# Altium PCB 宠物机器人&导购机器人.PcbDoc (part 10 of 14)
Units mil, origin at the board's own origin, x right, y up, seen from the top; angles counter-clockwise.
Board outline 6899.61 x 2204.72 mil, 2 copper layers (Top Layer, Bottom Layer); 229 components, 218 nets, 23463 pads, 263 vias.
Unrouted connection lines stored in the file: 107.
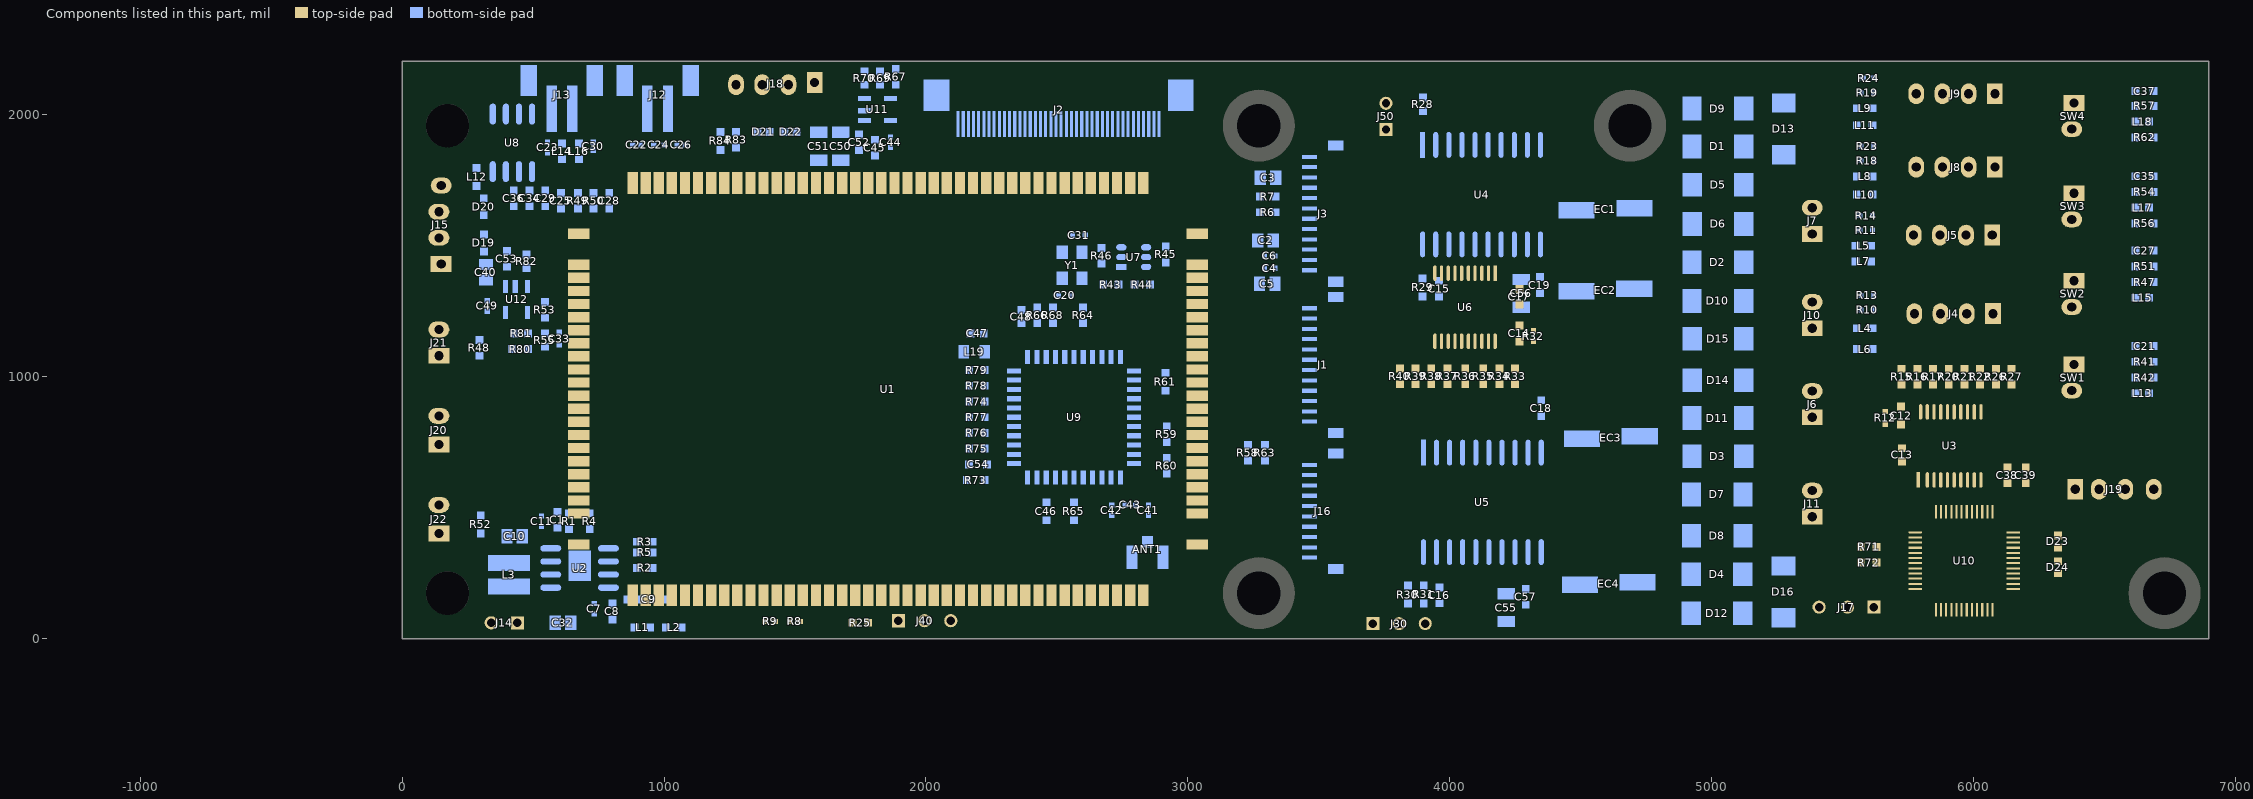
[diagram p10: the components of this part, seen from the top]

## Free pads (board coordinates) (continued)
  round 0.01 on Mech2: 1(-1216.32,-383.93) 1(-1216.32,-383.93) 1(-1216.32,-383.85) 1(-1216.32,-383.85) 1(-1216.32,-383.85) 1(-1216.32,-383.85) 1(-1216.32,-383.85) 1(-1216.32,-383.85) 1(-1216.32,-384.51) 1(-1216.32,-384.51) 1(-1216.32,-384.51) 1(-1216.32,-384.51) 1(-1216.32,-384.51) 1(-1216.32,-384.51) 1(-1216.32,-383.05) 1(-1216.32,-383.05) 1(-1216.32,-383.05) 1(-1216.32,-383.05) 1(-1216.32,-383.05) 1(-1216.32,-383.05) 1(-1216.32,-384.61) 1(-1216.32,-384.61) 1(-1216.32,-384.61) 1(-1216.32,-384.61) 1(-1216.32,-384.61) 1(-1216.32,-384.61) 1(-1216.32,-383.8) 1(-1216.32,-383.8) 1(-1216.32,-383.8) 1(-1216.32,-383.8) 1(-1216.32,-383.8) 1(-1216.32,-383.8) 1(-1216.32,-383.74) 1(-1216.32,-383.74) 1(-1216.32,-383.74) 1(-1216.32,-383.74) 1(-1216.32,-383.74) 1(-1216.32,-383.74) 1(-1216.31,-383.66) 1(-1216.31,-383.66) 1(-1216.31,-383.66) 1(-1216.31,-383.93) 1(-1216.31,-383.93) 1(-1216.31,-383.93) 1(-1216.31,-383.93) 1(-1216.31,-383.93) 1(-1216.31,-383.93) 1(-1216.31,-383.27) 1(-1216.31,-383.27) 1(-1216.31,-383.27) 1(-1216.31,-383.27) 1(-1216.31,-383.27) 1(-1216.31,-383.27) 1(-1216.31,-383.14) 1(-1216.31,-383.14) 1(-1216.31,-383.14) 1(-1216.31,-383.14) 1(-1216.31,-383.14) 1(-1216.31,-383.14) 1(-1216.31,-383.09) 1(-1216.31,-383.09) 1(-1216.31,-383.09) 1(-1216.31,-383.09) 1(-1216.31,-383.09) 1(-1216.31,-383.09) 1(-1216.31,-384.9) 1(-1216.31,-384.9) 1(-1216.31,-384.9) 1(-1216.31,-384.9) 1(-1216.31,-384.9) 1(-1216.31,-384.9) 1(-1216.3,-383.36) 1(-1216.3,-383.36) 1(-1216.3,-383.36) 1(-1216.3,-383.36) 1(-1216.3,-383.36) 1(-1216.3,-383.36) 1(-1216.3,-384.09) 1(-1216.3,-384.09) 1(-1216.3,-384.09) 1(-1216.3,-384.09) 1(-1216.3,-384.09) 1(-1216.3,-384.09) 1(-1216.3,-384.04) 1(-1216.3,-384.04) 1(-1216.3,-384.04) 1(-1216.3,-384.04) 1(-1216.3,-384.04) 1(-1216.3,-384.04) 1(-1216.29,-384.88) 1(-1216.29,-384.88) 1(-1216.29,-384.88) 1(-1216.29,-384.88) 1(-1216.29,-384.88) 1(-1216.29,-384.88) 1(-1216.29,-384.83) 1(-1216.29,-384.83) 1(-1216.29,-384.83) 1(-1216.29,-384.79) 1(-1216.29,-384.79) 1(-1216.29,-384.79) 1(-1216.29,-384.76) 1(-1216.29,-384.76) 1(-1216.29,-384.76) 1(-1216.29,-384.72) 1(-1216.29,-384.72) 1(-1216.29,-384.72) 1(-1216.29,-384.69) 1(-1216.29,-384.69) 1(-1216.29,-384.69) 1(-1216.29,-384.65) 1(-1216.29,-384.65) 1(-1216.29,-384.65) 1(-1216.29,-384.61) 1(-1216.29,-384.61) 1(-1216.29,-384.61) 1(-1216.29,-384.58) 1(-1216.29,-384.58) 1(-1216.29,-384.58) 1(-1216.29,-384.54) 1(-1216.29,-384.54) 1(-1216.29,-384.54) 1(-1216.29,-384.51) 1(-1216.29,-384.51) 1(-1216.29,-384.51) 1(-1216.29,-383.39) 1(-1216.29,-383.39) 1(-1216.29,-383.39) 1(-1216.29,-383.39) 1(-1216.29,-383.39) 1(-1216.29,-383.39) 1(-1216.29,-383.74) 1(-1216.29,-383.74) 1(-1216.29,-383.74) 1(-1216.29,-383.74) 1(-1216.29,-383.74) 1(-1216.29,-383.74) 1(-1216.29,-384.23) 1(-1216.29,-384.23) 1(-1216.29,-384.23) 1(-1216.29,-384.23) 1(-1216.29,-384.23) 1(-1216.29,-384.23) 1(-1216.28,-383.95) 1(-1216.28,-383.95) 1(-1216.28,-383.95) 1(-1216.28,-383.95) 1(-1216.28,-383.95) 1(-1216.28,-383.95) 1(-1216.28,-383.07) 1(-1216.28,-383.07) 1(-1216.28,-383.07) 1(-1216.28,-383.07) 1(-1216.28,-383.07) 1(-1216.28,-383.07) 1(-1216.28,-383.36) 1(-1216.28,-383.36) 1(-1216.28,-383.36) 1(-1216.28,-383.36) 1(-1216.28,-383.36) 1(-1216.28,-383.36) 1(-1216.28,-383.34) 1(-1216.28,-383.34) 1(-1216.28,-383.34) 1(-1216.28,-383.34) 1(-1216.28,-383.34) 1(-1216.28,-383.34) 1(-1216.27,-383.8) 1(-1216.27,-383.8) 1(-1216.27,-383.8) 1(-1216.27,-383.8) 1(-1216.27,-383.8) 1(-1216.27,-383.8) 1(-1216.27,-383.14) 1(-1216.27,-383.14) 1(-1216.27,-383.14) 1(-1216.27,-383.1) 1(-1216.27,-383.1) 1(-1216.27,-383.1) 1(-1216.27,-383.1) 1(-1216.27,-383.1) 1(-1216.27,-383.1) 1(-1216.27,-384) 1(-1216.27,-384) 1(-1216.27,-384) 1(-1216.27,-384) 1(-1216.27,-384) 1(-1216.27,-384) 1(-1216.27,-383.95) 1(-1216.27,-383.95) 1(-1216.27,-383.95) 1(-1216.27,-383.95) 1(-1216.27,-383.95) 1(-1216.27,-383.95) 1(-1216.27,-383.95) 1(-1216.27,-383.95) 1(-1216.27,-383.95) 1(-1216.27,-383.91) 1(-1216.27,-383.91) 1(-1216.27,-383.91) 1(-1216.26,-383.81) 1(-1216.26,-383.81) 1(-1216.26,-383.81) 1(-1216.26,-383.77) 1(-1216.26,-383.77) 1(-1216.26,-383.77) 1(-1216.26,-383.77) 1(-1216.26,-383.77) 1(-1216.26,-383.77) 1(-1216.26,-383.74) 1(-1216.26,-383.74) 1(-1216.26,-383.74) 1(-1216.26,-384.21) 1(-1216.26,-384.21) 1(-1216.26,-384.21) 1(-1216.26,-384.21) 1(-1216.26,-384.21) 1(-1216.26,-384.21) 1(-1216.26,-384.18) 1(-1216.26,-384.18) 1(-1216.26,-384.18) 1(-1216.26,-384.12) 1(-1216.26,-384.12) 1(-1216.26,-384.12) 1(-1216.26,-384.06) 1(-1216.26,-384.06) 1(-1216.26,-384.06) 1(-1216.26,-384) 1(-1216.26,-384) 1(-1216.26,-384) 1(-1216.26,-384) 1(-1216.26,-384) 1(-1216.26,-384) 1(-1216.26,-385.1) 1(-1216.26,-385.1) 1(-1216.26,-385.1) 1(-1216.26,-383.64) 1(-1216.26,-383.64) 1(-1216.26,-383.64) 1(-1216.26,-383.39) 1(-1216.26,-383.39) 1(-1216.26,-383.39) 1(-1216.26,-383.39) 1(-1216.26,-383.39) 1(-1216.26,-383.39) 1(-1216.26,-383.42) 1(-1216.26,-383.42) 1(-1216.26,-383.42) 1(-1216.26,-383.42) 1(-1216.26,-383.42) 1(-1216.26,-383.42) 1(-1216.26,-384.36) 1(-1216.26,-384.36) 1(-1216.26,-384.36) 1(-1216.26,-384.36) 1(-1216.26,-384.36) 1(-1216.26,-384.36) 1(-1216.26,-384.33) 1(-1216.26,-384.33) 1(-1216.26,-384.33) 1(-1216.25,-384.54) 1(-1216.25,-384.54) 1(-1216.25,-384.54) 1(-1216.25,-384.54) 1(-1216.25,-384.54) 1(-1216.25,-384.54) 1(-1216.25,-384.54) 1(-1216.25,-384.54) 1(-1216.25,-384.54) 1(-1216.25,-383.09) 1(-1216.25,-383.09) 1(-1216.25,-383.09) 1(-1216.25,-383.09) 1(-1216.25,-383.09) 1(-1216.25,-383.09) 1(-1216.25,-385.12) 1(-1216.25,-385.12) 1(-1216.25,-385.12) 1(-1216.25,-385.12) 1(-1216.25,-385.12) 1(-1216.25,-385.12) 1(-1216.25,-383.71) 1(-1216.25,-383.71) 1(-1216.25,-383.71) 1(-1216.25,-383.71) 1(-1216.25,-383.71) 1(-1216.25,-383.71) 1(-1216.25,-383.83) 1(-1216.25,-383.83) 1(-1216.25,-383.83) 1(-1216.25,-383.83) 1(-1216.25,-383.83) 1(-1216.25,-383.83) 1(-1216.24,-383.88) 1(-1216.24,-383.88) 1(-1216.24,-383.88) 1(-1216.24,-383.88) 1(-1216.24,-383.88) 1(-1216.24,-383.88) 1(-1216.24,-384.42) 1(-1216.24,-384.42) 1(-1216.24,-384.42) 1(-1216.24,-384.38) 1(-1216.24,-384.38) 1(-1216.24,-384.38) 1(-1216.24,-384.38) 1(-1216.24,-384.38) 1(-1216.24,-384.38) 1(-1216.24,-383.1) 1(-1216.24,-383.1) 1(-1216.24,-383.1) 1(-1216.23,-383.32) 1(-1216.23,-383.32) 1(-1216.23,-383.32) 1(-1216.23,-383.32) 1(-1216.23,-383.32) 1(-1216.23,-383.32) 1(-1216.23,-383.14) 1(-1216.23,-383.14) 1(-1216.23,-383.14) 1(-1216.23,-385.14) 1(-1216.23,-385.14) 1(-1216.23,-385.14) 1(-1216.23,-385.14) 1(-1216.23,-385.14) 1(-1216.23,-385.14) 1(-1216.23,-384.06) 1(-1216.23,-384.06) 1(-1216.23,-384.06) 1(-1216.23,-384.06) 1(-1216.23,-384.06) 1(-1216.23,-384.06) 1(-1216.23,-383.31) 1(-1216.23,-383.31) 1(-1216.23,-383.31) 1(-1216.23,-383.31) 1(-1216.23,-383.31) 1(-1216.23,-383.31) 1(-1216.23,-383.3) 1(-1216.23,-383.3) 1(-1216.23,-383.3) 1(-1216.23,-383.3) 1(-1216.23,-383.3) 1(-1216.23,-383.3) 1(-1216.23,-383.14) 1(-1216.23,-383.14) 1(-1216.23,-383.14) 1(-1216.23,-383.14) 1(-1216.23,-383.14) 1(-1216.23,-383.14) 1(-1216.22,-383.95) 1(-1216.22,-383.95) 1(-1216.22,-383.95) 1(-1216.22,-383.95) 1(-1216.22,-383.95) 1(-1216.22,-383.95) 1(-1216.22,-385.09) 1(-1216.22,-385.09) 1(-1216.22,-385.09) 1(-1216.22,-385.09) 1(-1216.22,-385.09) 1(-1216.22,-385.09) 1(-1216.22,-383.39) 1(-1216.22,-383.39) 1(-1216.22,-383.39) 1(-1216.22,-383.39) 1(-1216.22,-383.39) 1(-1216.22,-383.39) 1(-1216.22,-383.33) 1(-1216.22,-383.33) 1(-1216.22,-383.33) 1(-1216.22,-383.8) 1(-1216.22,-383.8) 1(-1216.22,-383.8) 1(-1216.22,-383.8) 1(-1216.22,-383.8) 1(-1216.22,-383.8) 1(-1216.22,-383.74) 1(-1216.22,-383.74) 1(-1216.22,-383.74) 1(-1216.22,-383.74) 1(-1216.22,-383.74) 1(-1216.22,-383.74) 1(-1216.22,-383.94) 1(-1216.22,-383.94) 1(-1216.22,-383.94) 1(-1216.22,-383.88) 1(-1216.22,-383.88) 1(-1216.22,-383.88) 1(-1216.21,-383.85) 1(-1216.21,-383.85) 1(-1216.21,-383.85) 1(-1216.21,-383.85) 1(-1216.21,-383.85) 1(-1216.21,-383.85) 1(-1216.2,-384.42) 1(-1216.2,-384.42) 1(-1216.2,-384.42) 1(-1216.2,-384.38) 1(-1216.2,-384.38) 1(-1216.2,-384.38) 1(-1216.2,-384.38) 1(-1216.2,-384.38) 1(-1216.2,-384.38) 1(-1216.2,-385.11) 1(-1216.2,-385.11) 1(-1216.2,-385.11) 1(-1216.2,-384.24) 1(-1216.2,-384.24) 1(-1216.2,-384.24) 1(-1216.2,-384.24) 1(-1216.2,-384.24) 1(-1216.2,-384.24) 1(-1216.2,-385.15) 1(-1216.2,-385.15) 1(-1216.2,-385.15) 1(-1216.2,-385.15) 1(-1216.2,-385.15) 1(-1216.2,-385.15) 1(-1216.2,-384.38) 1(-1216.2,-384.38) 1(-1216.2,-384.38) 1(-1216.2,-384.38) 1(-1216.2,-384.38) 1(-1216.2,-384.38) 1(-1216.2,-384.33) 1(-1216.2,-384.33) 1(-1216.2,-384.33) 1(-1216.2,-384.27) 1(-1216.2,-384.27) 1(-1216.2,-384.27) 1(-1216.2,-384.27) 1(-1216.2,-384.27) 1(-1216.2,-384.27) 1(-1216.2,-384.27) 1(-1216.2,-384.27) 1(-1216.2,-384.27) 1(-1216.2,-384.27) 1(-1216.2,-384.27) 1(-1216.2,-384.27) 1(-1216.2,-384.25) 1(-1216.2,-384.25) 1(-1216.2,-384.25) 1(-1216.2,-384.25) 1(-1216.2,-384.25) 1(-1216.2,-384.25) 1(-1216.19,-385.17) 1(-1216.19,-385.17) 1(-1216.19,-385.17) 1(-1216.19,-385.17) 1(-1216.19,-385.17) 1(-1216.19,-385.17) 1(-1216.19,-383.83) 1(-1216.19,-383.83) 1(-1216.19,-383.83) 1(-1216.19,-383.83) 1(-1216.19,-383.83) 1(-1216.19,-383.83) 1(-1216.19,-383.29) 1(-1216.19,-383.29) 1(-1216.19,-383.29) 1(-1216.19,-383.29) 1(-1216.19,-383.29) 1(-1216.19,-383.29) 1(-1216.19,-383.14) 1(-1216.19,-383.14) 1(-1216.19,-383.14) 1(-1216.19,-383.14) 1(-1216.19,-383.14) 1(-1216.19,-383.14) 1(-1216.19,-383.14) 1(-1216.19,-383.14) 1(-1216.19,-383.14) 1(-1216.19,-385.18) 1(-1216.19,-385.18) 1(-1216.19,-385.18) 1(-1216.19,-385.18) 1(-1216.19,-385.18) 1(-1216.19,-385.18) 1(-1216.19,-383.42) 1(-1216.19,-383.42) 1(-1216.19,-383.42) 1(-1216.19,-383.42) 1(-1216.19,-383.42) 1(-1216.19,-383.42) 1(-1216.18,-383.42) 1(-1216.18,-383.42) 1(-1216.18,-383.42) 1(-1216.18,-383.42) 1(-1216.18,-383.42) 1(-1216.18,-383.42) 1(-1216.18,-384.02) 1(-1216.18,-384.02) 1(-1216.18,-384.02) 1(-1216.18,-384.02) 1(-1216.18,-384.02) 1(-1216.18,-384.02) 1(-1216.18,-383.92) 1(-1216.18,-383.92) 1(-1216.18,-383.92) 1(-1216.18,-383.92) 1(-1216.18,-383.92) 1(-1216.18,-383.92) 1(-1216.18,-383.71) 1(-1216.18,-383.71) 1(-1216.18,-383.71) 1(-1216.18,-383.71) 1(-1216.18,-383.71) 1(-1216.18,-383.71) 1(-1216.18,-383.42) 1(-1216.18,-383.42) 1(-1216.18,-383.42) 1(-1216.18,-383.42) 1(-1216.18,-383.42) 1(-1216.18,-383.42) 1(-1216.18,-383.42) 1(-1216.18,-383.42) 1(-1216.18,-383.42) 1(-1216.18,-383.42) 1(-1216.18,-383.42) 1(-1216.18,-383.42) 1(-1216.18,-385.2) 1(-1216.18,-385.2) 1(-1216.18,-385.2) 1(-1216.18,-385.2) 1(-1216.18,-385.2) 1(-1216.18,-385.2) 1(-1216.17,-385.09) 1(-1216.17,-385.09) 1(-1216.17,-385.09) 1(-1216.17,-385.09) 1(-1216.17,-385.09) 1(-1216.17,-385.09) 1(-1216.17,-385.09) 1(-1216.17,-385.09) 1(-1216.17,-385.09) 1(-1216.16,-383.8) 1(-1216.16,-383.8) 1(-1216.16,-383.8) 1(-1216.16,-383.8) 1(-1216.16,-383.8) 1(-1216.16,-383.8) 1(-1216.16,-383.29) 1(-1216.16,-383.29) 1(-1216.16,-383.29) 1(-1216.16,-383.29) 1(-1216.16,-383.29) 1(-1216.16,-383.29) 1(-1216.15,-385.05) 1(-1216.15,-385.05) 1(-1216.15,-385.05) 1(-1216.15,-385.05) 1(-1216.15,-385.05) 1(-1216.15,-385.05) 1(-1216.15,-383.18) 1(-1216.15,-383.18) 1(-1216.15,-383.18) 1(-1216.15,-383.18) 1(-1216.15,-383.18) 1(-1216.15,-383.18) 1(-1216.15,-383.14) 1(-1216.15,-383.14) 1(-1216.15,-383.14) 1(-1216.15,-383.39) 1(-1216.15,-383.39) 1(-1216.15,-383.39) 1(-1216.15,-383.39) 1(-1216.15,-383.39) 1(-1216.15,-383.39) 1(-1216.15,-383.33) 1(-1216.15,-383.33) 1(-1216.15,-383.33) 1(-1216.15,-383.33) 1(-1216.15,-383.33) 1(-1216.15,-383.33) 1(-1216.15,-383.3) 1(-1216.15,-383.3) 1(-1216.15,-383.3) 1(-1216.15,-383.3) 1(-1216.15,-383.3) 1(-1216.15,-383.3) 1(-1216.14,-385.07) 1(-1216.14,-385.07) 1(-1216.14,-385.07) 1(-1216.14,-385.07) 1(-1216.14,-385.07) 1(-1216.14,-385.07) 1(-1216.14,-383.74) 1(-1216.14,-383.74) 1(-1216.14,-383.74) 1(-1216.14,-383.32) 1(-1216.14,-383.32) 1(-1216.14,-383.32) 1(-1216.14,-383.32) 1(-1216.14,-383.32) 1(-1216.14,-383.32) 1(-1216.14,-384.33) 1(-1216.14,-384.33) 1(-1216.14,-384.33) 1(-1216.14,-384.01) 1(-1216.14,-384.01) 1(-1216.14,-384.01) 1(-1216.14,-383.97) 1(-1216.14,-383.97) 1(-1216.14,-383.97) 1(-1216.14,-383.74) 1(-1216.14,-383.74) 1(-1216.14,-383.74) 1(-1216.14,-383.74) 1(-1216.14,-383.74) 1(-1216.14,-383.74) 1(-1216.12,-383.86) 1(-1216.12,-383.86) 1(-1216.12,-383.86) 1(-1216.12,-383.86) 1(-1216.12,-383.86) 1(-1216.12,-383.86) 1(-1216.12,-383.86) 1(-1216.12,-383.86) 1(-1216.12,-383.86) 1(-1216.12,-383.86) 1(-1216.12,-383.86) 1(-1216.12,-383.86) 1(-1216.12,-385.02) 1(-1216.12,-385.02) 1(-1216.12,-385.02) 1(-1216.12,-385.02) 1(-1216.12,-385.02) 1(-1216.12,-385.02) 1(-1216.12,-384.97) 1(-1216.12,-384.97) 1(-1216.12,-384.97) 1(-1216.12,-384.97) 1(-1216.12,-384.97) 1(-1216.12,-384.97) 1(-1216.12,-383.1) 1(-1216.12,-383.1) 1(-1216.12,-383.1) 1(-1216.12,-383.1) 1(-1216.12,-383.1) 1(-1216.12,-383.1) 1(-1216.12,-384.03) 1(-1216.12,-384.03) 1(-1216.12,-384.03) 1(-1216.12,-384.03) 1(-1216.12,-384.03) 1(-1216.12,-384.03) 1(-1216.12,-383.62) 1(-1216.12,-383.62) 1(-1216.12,-383.62) 1(-1216.12,-383.62) 1(-1216.12,-383.62) 1(-1216.12,-383.62) 1(-1216.12,-383.8) 1(-1216.12,-383.8) 1(-1216.12,-383.8) 1(-1216.12,-383.8) 1(-1216.12,-383.8) 1(-1216.12,-383.8) 1(-1216.11,-383.39) 1(-1216.11,-383.39) 1(-1216.11,-383.39) 1(-1216.11,-383.39) 1(-1216.11,-383.39) 1(-1216.11,-383.39) 1(-1216.11,-383.6) 1(-1216.11,-383.6) 1(-1216.11,-383.6) 1(-1216.11,-383.6) 1(-1216.11,-383.6) 1(-1216.11,-383.6) 1(-1216.11,-383.14) 1(-1216.11,-383.14) 1(-1216.11,-383.14) 1(-1216.11,-383.11) 1(-1216.11,-383.11) 1(-1216.11,-383.11) 1(-1216.11,-383.11) 1(-1216.11,-383.11) 1(-1216.11,-383.11) 1(-1216.11,-383.81) 1(-1216.11,-383.81) 1(-1216.11,-383.81) 1(-1216.11,-383.77) 1(-1216.11,-383.77) 1(-1216.11,-383.77) 1(-1216.11,-383.77) 1(-1216.11,-383.77) 1(-1216.11,-383.77) 1(-1216.11,-385.13) 1(-1216.11,-385.13) 1(-1216.11,-385.13) 1(-1216.1,-383.58) 1(-1216.1,-383.58) 1(-1216.1,-383.58) 1(-1216.1,-383.58) 1(-1216.1,-383.58) 1(-1216.1,-383.58) 1(-1216.1,-385.03) 1(-1216.1,-385.03) 1(-1216.1,-385.03) 1(-1216.1,-385.03) 1(-1216.1,-385.03) 1(-1216.1,-385.03) 1(-1216.1,-384.98) 1(-1216.1,-384.98) 1(-1216.1,-384.98) 1(-1216.1,-384.98) 1(-1216.1,-384.98) 1(-1216.1,-384.98) 1(-1216.1,-384.18) 1(-1216.1,-384.18) 1(-1216.1,-384.18) 1(-1216.1,-384.12) 1(-1216.1,-384.12) 1(-1216.1,-384.12) 1(-1216.1,-384.06) 1(-1216.1,-384.06) 1(-1216.1,-384.06) 1(-1216.1,-384.06) 1(-1216.1,-384.06) 1(-1216.1,-384.06) 1(-1216.1,-383.93) 1(-1216.1,-383.93) 1(-1216.1,-383.93) 1(-1216.1,-383.93) 1(-1216.1,-383.93) 1(-1216.1,-383.93) 1(-1216.1,-384.95) 1(-1216.1,-384.95) 1(-1216.1,-384.95) 1(-1216.1,-384.95) 1(-1216.1,-384.95) 1(-1216.1,-384.95) 1(-1216.1,-384.88) 1(-1216.1,-384.88) 1(-1216.1,-384.88) 1(-1216.1,-384.88) 1(-1216.1,-384.88) 1(-1216.1,-384.88) 1(-1216.1,-384.88) 1(-1216.1,-384.88) 1(-1216.1,-384.88) 1(-1216.1,-383.57) 1(-1216.1,-383.57) 1(-1216.1,-383.57) 1(-1216.1,-383.57) 1(-1216.1,-383.57) 1(-1216.1,-383.57) 1(-1216.1,-385.09) 1(-1216.1,-385.09) 1(-1216.1,-385.09) 1(-1216.1,-385.09) 1(-1216.1,-385.09) 1(-1216.1,-385.09) 1(-1216.1,-383.89) 1(-1216.1,-383.89) 1(-1216.1,-383.89) 1(-1216.1,-383.89) 1(-1216.1,-383.89) 1(-1216.1,-383.89) 1(-1216.09,-385.07) 1(-1216.09,-385.07) 1(-1216.09,-385.07) 1(-1216.09,-385.07) 1(-1216.09,-385.07) 1(-1216.09,-385.07) 1(-1216.09,-385.04) 1(-1216.09,-385.04) 1(-1216.09,-385.04) 1(-1216.09,-385.04) 1(-1216.09,-385.04) 1(-1216.09,-385.04) 1(-1216.09,-383.42) 1(-1216.09,-383.42) 1(-1216.09,-383.42) 1(-1216.09,-383.42) 1(-1216.09,-383.42) 1(-1216.09,-383.42) 1(-1216.09,-383.36) 1(-1216.09,-383.36) 1(-1216.09,-383.36) 1(-1216.09,-383.32) 1(-1216.09,-383.32) 1(-1216.09,-383.32) 1(-1216.09,-383.32) 1(-1216.09,-383.32) 1(-1216.09,-383.32) 1(-1216.09,-383.55) 1(-1216.09,-383.55) 1(-1216.09,-383.55) 1(-1216.09,-383.55) 1(-1216.09,-383.55) 1(-1216.09,-383.55) 1(-1216.08,-384.16) 1(-1216.08,-384.16) 1(-1216.08,-384.16) 1(-1216.08,-384.16) 1(-1216.08,-384.16) 1(-1216.08,-384.16) 1(-1216.08,-384.96) 1(-1216.08,-384.96) 1(-1216.08,-384.96) 1(-1216.08,-384.96) 1(-1216.08,-384.96) 1(-1216.08,-384.96) 1(-1216.08,-383.54) 1(-1216.08,-383.54) 1(-1216.08,-383.54) 1(-1216.08,-383.54) 1(-1216.08,-383.54) 1(-1216.08,-383.54) 1(-1216.08,-383.32) 1(-1216.08,-383.32) 1(-1216.08,-383.32) 1(-1216.08,-383.32) 1(-1216.08,-383.32) 1(-1216.08,-383.32) 1(-1216.07,-384.03) 1(-1216.07,-384.03) 1(-1216.07,-384.03) 1(-1216.07,-384.03) 1(-1216.07,-384.03) 1(-1216.07,-384.03) 1(-1216.07,-383.94) 1(-1216.07,-383.94) 1(-1216.07,-383.94) 1(-1216.07,-383.94) 1(-1216.07,-383.94) 1(-1216.07,-383.94) 1(-1216.07,-383.93) 1(-1216.07,-383.93) 1(-1216.07,-383.93) 1(-1216.07,-383.93) 1(-1216.07,-383.93) 1(-1216.07,-383.93) 1(-1216.07,-383.52) 1(-1216.07,-383.52) 1(-1216.07,-383.52) 1(-1216.07,-383.52) 1(-1216.07,-383.52) 1(-1216.07,-383.52) 1(-1216.07,-383.4) 1(-1216.07,-383.4) 1(-1216.07,-383.4) 1(-1216.07,-383.4) 1(-1216.07,-383.4) 1(-1216.07,-383.4) 1(-1216.07,-383.33) 1(-1216.07,-383.33) 1(-1216.07,-383.33) 1(-1216.07,-383.33) 1(-1216.07,-383.33) 1(-1216.07,-383.33) 1(-1216.07,-383.5) 1(-1216.07,-383.5) 1(-1216.07,-383.5) 1(-1216.07,-383.5) 1(-1216.07,-383.5) 1(-1216.07,-383.5) 1(-1216.06,-383.83) 1(-1216.06,-383.83) 1(-1216.06,-383.83) 1(-1216.06,-383.83) 1(-1216.06,-383.83) 1(-1216.06,-383.83) 1(-1216.06,-383.86) 1(-1216.06,-383.86) 1(-1216.06,-383.86) 1(-1216.06,-383.86) 1(-1216.06,-383.86) 1(-1216.06,-383.86) 1(-1216.06,-384.95) 1(-1216.06,-384.95) 1(-1216.06,-384.95) 1(-1216.06,-384.88) 1(-1216.06,-384.88) 1(-1216.06,-384.88) 1(-1216.06,-383.86) 1(-1216.06,-383.86) 1(-1216.06,-383.86) 1(-1216.06,-383.86) 1(-1216.06,-383.86) 1(-1216.06,-383.86) 1(-1216.06,-383.83) 1(-1216.06,-383.83) 1(-1216.06,-383.83) 1(-1216.06,-383.83) 1(-1216.06,-383.83) 1(-1216.06,-383.83) 1(-1216.06,-383.83) 1(-1216.06,-383.83) 1(-1216.06,-383.83) 1(-1216.06,-383.81) 1(-1216.06,-383.81) 1(-1216.06,-383.81) 1(-1216.06,-383.77) 1(-1216.06,-383.77) 1(-1216.06,-383.77) 1(-1216.06,-383.77) 1(-1216.06,-383.77) 1(-1216.06,-383.77) 1(-1216.06,-383.74) 1(-1216.06,-383.74) 1(-1216.06,-383.74) 1(-1216.06,-385.09) 1(-1216.06,-385.09) 1(-1216.06,-385.09) 1(-1216.06,-383.49) 1(-1216.06,-383.49) 1(-1216.06,-383.49) 1(-1216.06,-383.49) 1(-1216.06,-383.49) 1(-1216.06,-383.49) 1(-1216.06,-383.71) 1(-1216.06,-383.71) 1(-1216.06,-383.71) 1(-1216.06,-383.71) 1(-1216.06,-383.71) 1(-1216.06,-383.71) 1(-1216.06,-385.02) 1(-1216.06,-385.02) 1(-1216.06,-385.02) 1(-1216.06,-384.96) 1(-1216.06,-384.96) 1(-1216.06,-384.96) 1(-1216.06,-383.09) 1(-1216.06,-383.09) 1(-1216.06,-383.09) 1(-1216.06,-383.09) 1(-1216.06,-383.09) 1(-1216.06,-383.09) 1(-1216.05,-383.47) 1(-1216.05,-383.47) 1(-1216.05,-383.47) 1(-1216.05,-383.47) 1(-1216.05,-383.47) 1(-1216.05,-383.47) 1(-1216.05,-383.41) 1(-1216.05,-383.41) 1(-1216.05,-383.41) 1(-1216.05,-383.41) 1(-1216.05,-383.41) 1(-1216.05,-383.41) 1(-1216.05,-383.28) 1(-1216.05,-383.28) 1(-1216.05,-383.28) 1(-1216.05,-383.28) 1(-1216.05,-383.28) 1(-1216.05,-383.28) 1(-1216.05,-383.07) 1(-1216.05,-383.07) 1(-1216.05,-383.07) 1(-1216.05,-383.07) 1(-1216.05,-383.07) 1(-1216.05,-383.07) 1(-1216.05,-383.46) 1(-1216.05,-383.46) 1(-1216.05,-383.46) 1(-1216.05,-383.46) 1(-1216.05,-383.46) 1(-1216.05,-383.46) 1(-1216.04,-383.05) 1(-1216.04,-383.05) 1(-1216.04,-383.05) 1(-1216.04,-383.05) 1(-1216.04,-383.05) 1(-1216.04,-383.05) 1(-1216.04,-383.44) 1(-1216.04,-383.44) 1(-1216.04,-383.44) 1(-1216.04,-383.44) 1(-1216.04,-383.44) 1(-1216.04,-383.44) 1(-1216.04,-385) 1(-1216.04,-385) 1(-1216.04,-385) 1(-1216.04,-385) 1(-1216.04,-385) 1(-1216.04,-385) 1(-1216.04,-384.22) 1(-1216.04,-384.22) 1(-1216.04,-384.22) 1(-1216.04,-384.22) 1(-1216.04,-384.22) 1(-1216.04,-384.22) 1(-1216.04,-384.2) 1(-1216.04,-384.2) 1(-1216.04,-384.2) 1(-1216.04,-384.16) 1(-1216.04,-384.16) 1(-1216.04,-384.16) 1(-1216.04,-384.16) 1(-1216.04,-384.16) 1(-1216.04,-384.16) 1(-1216.04,-384.11) 1(-1216.04,-384.11) 1(-1216.04,-384.11) 1(-1216.04,-384.16) 1(-1216.04,-384.16) 1(-1216.04,-384.16) 1(-1216.04,-384.16) 1(-1216.04,-384.16) 1(-1216.04,-384.16) 1(-1216.04,-384.16) 1(-1216.04,-384.16) 1(-1216.04,-384.16) 1(-1216.03,-383.4) 1(-1216.03,-383.4) 1(-1216.03,-383.4) 1(-1216.03,-383.4) 1(-1216.03,-383.4) 1(-1216.03,-383.4) 1(-1216.03,-383.11) 